# KiCad board Z3660_v021b.kicad_pcb (continued)
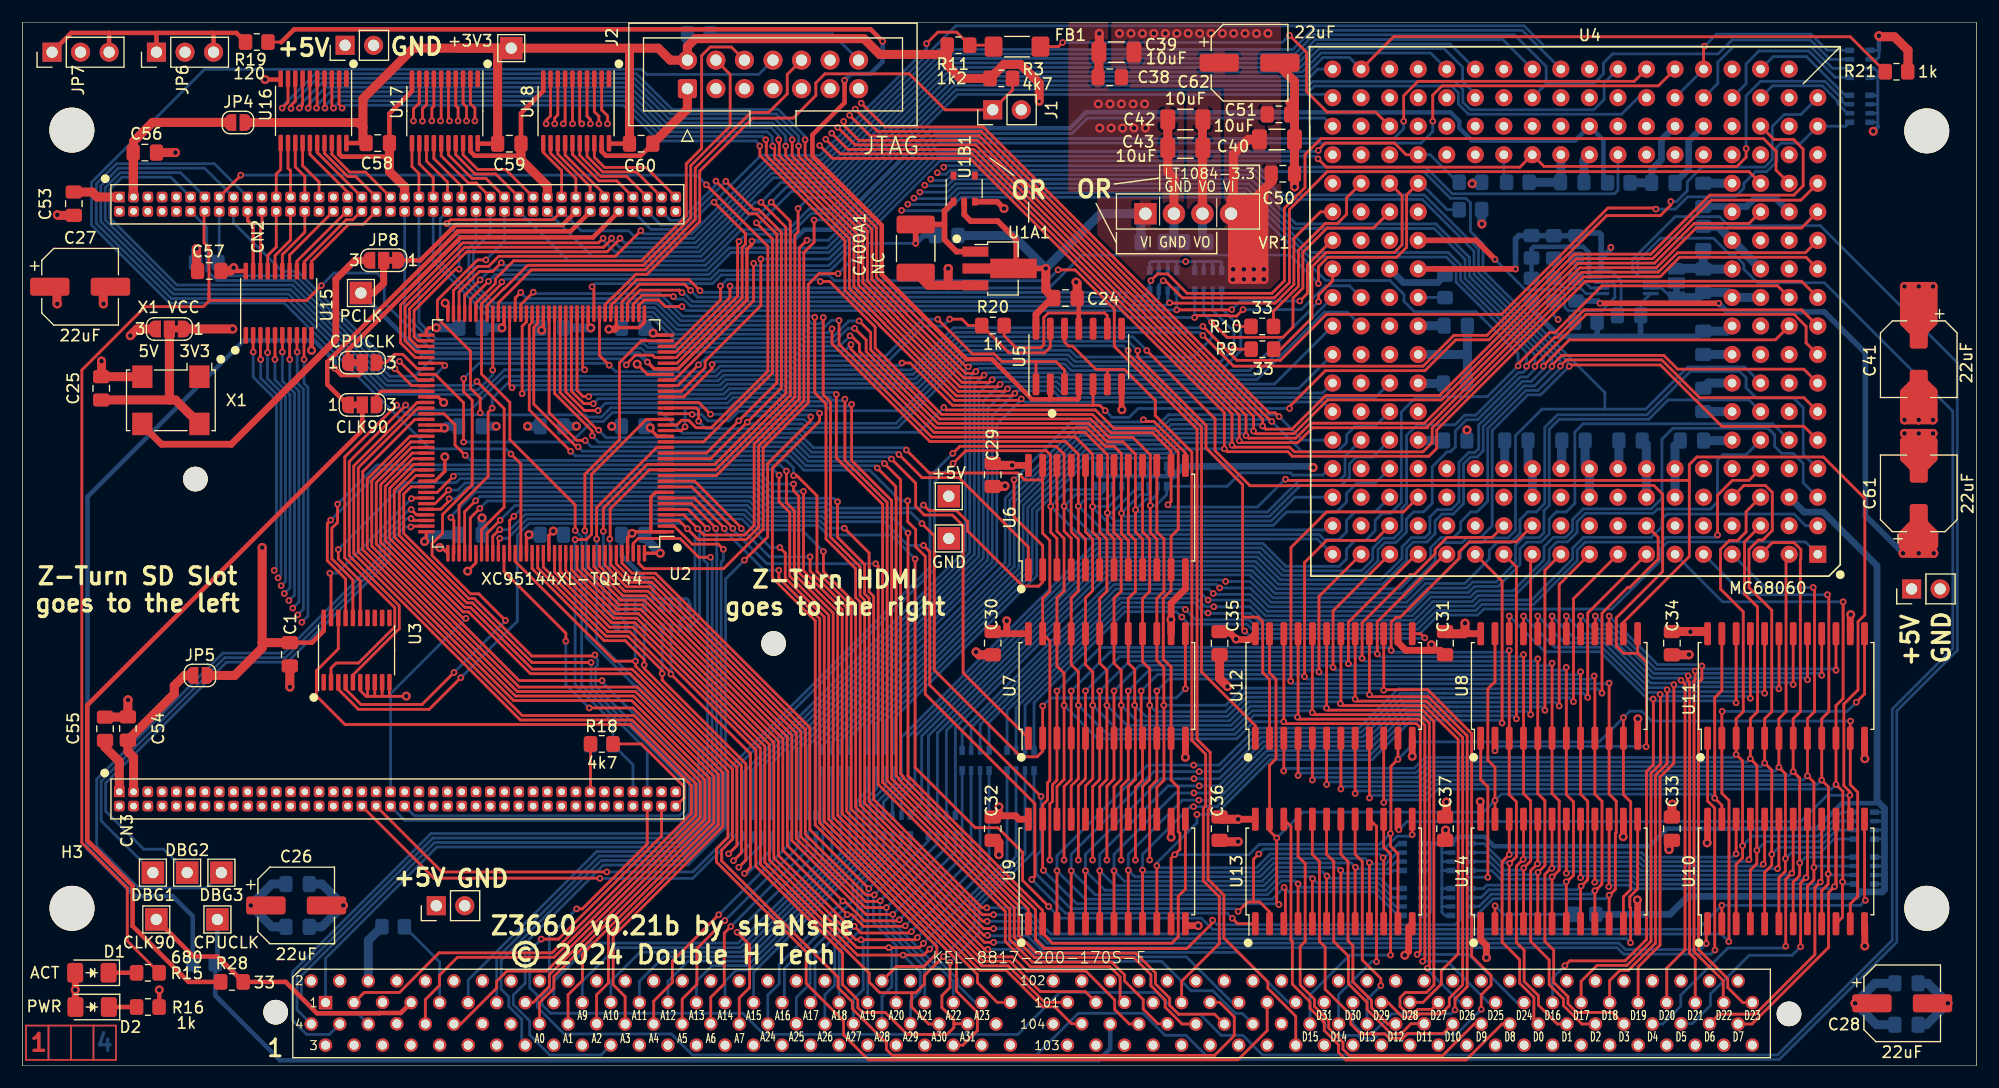
[diagram p0: board, top side]
## Routing (per net, layer and track width the routed paths; a pad name or vN(x,y) marks a point on that pad's centre or on a via; arc(x,y) is an arc through that point) (continued)
Net-(JP12-C): length 2.3
  Bottom w0.25: JP12.2 147.16,69.71 U1.8
Net-(R19-Pad1): length 107.3
  Top w0.25: 23.02,91.06 22.99,91.09 R19.1
  Top w0.4: 91.48,59.29 89.86,59.29 86.29,62.86 84.02,62.86 76.48,70.41 76.48,74.79 70.31,80.96 70.31,82.83 73.17,85.7 v2(73.17,87.69) ; 91.48,59.29 93.91,59.29 94.02,59.4 U5.4 ; 91.48,59.29 U5.2 ; 23.02,91.06 24.18,92.23 75.49,92.23 v2(76.56,91.16)
  Bottom w0.4: v2(76.56,91.16) 76.56,89.34 75.48,88.27 73.75,88.27 v2(73.17,87.69)
Net-(RN1-R3.2): length 16.8
  Bottom w0.25: U4.149 150.9,87.41 150.9,89.3 152.32,90.72 159.14,90.72 161.1,88.76 RN1.6
Net-(RN1-R4.2): length 14.2
  Bottom w0.25: U4.148 153.42,87.39 153.42,89.15 154.56,90.3 159,90.3 161.34,87.96 RN1.5
Net-(RN2-R1.2): length 9.8
  Bottom w0.25: U4.164 155.82,89.8 158.79,89.8 162.24,86.36 RN2.8
Net-(RN2-R3.2): length 9.5
  Bottom w0.25: U4.147 155.77,87.2 160.2,87.2 161.56,85.84 161.56,85.63 162.44,84.76 RN2.6
Net-(U1-V1): length 6.6
  Bottom w0.25: R23.2 R27.1 136.4,70.06 137.31,69.16 138.71,69.16 139.16,68.71 U1.1
Net-(U1-V2): length 4.4
  Bottom w0.25: R25.2 R26.1 138.74,70.05 139.58,69.21 U1.2
Net-(U1-V4): length 11.3
  Bottom w0.4: U1.4 139.43,70.21 139.43,72.35 138.91,72.87 134.52,72.87 134.32,72.67 R24.2 R22.1
Net-(U2-P105): length 59.6
  Top w0.25: U2.105 35.07,49.01 v2(34.59,49.49)
  Bottom w0.25: DBG3.1 16.33,15.8 10.34,15.8 6.6,19.53 6.6,25.48 17.83,36.7 23.25,36.7 31.85,45.3 31.85,46.91 34.43,49.49 v2(34.59,49.49)
Net-(U2-P106): length 49.7
  Top w0.25: U2.106 34.76,48.51 v2(34.59,48.68)
  Bottom w0.25: v2(34.59,48.68) 34.19,48.68 32.25,46.75 32.25,45.14 23.42,36.3 18,36.3 7,25.31 7,21.77 DBG1.1
Net-(U2-P107): length 51
  Top w0.25: v2(34.56,47.93) 34.64,48.01 U2.107
  Bottom w0.25: DBG2.1 12.57,19.25 10.8,19.25 7.4,22.64 7.4,25.14 18.16,35.9 23.58,35.9 32.66,44.98 32.66,46.6 34,47.93 v2(34.56,47.93)
Net-(U4-~{TS}): length 36.9
  Top w0.25: v2(112.78,91.69) 114.3,90.17 114.3,86.69 116.13,84.86 120.43,84.86 U4.142 ; FB1.2 92.21,90.69 v2(92.58,91.06)
  Bottom w0.25: v2(92.58,91.06) 112.14,91.06 v2(112.78,91.69)

## Copper pours and planes (outline as drawn; the poured copper is in the pictures)
+3V3 on Top: 103.63,86.74 106.68,86.74 106.68,75.82 103.63,75.82
+3V3 on In2.Cu: 173.86,50.8 162.43,50.8 162.43,43.56 114.43,43.59 114.43,71.76 106.81,71.76 106.81,64.39 60.45,64.39 60.45,45.59 18.29,45.59 18.29,72.14 90.07,72.14 90.07,86.36 105.92,86.36 105.92,76.07 114.43,76.07 114.47,92.84 173.86,92.84
+5V on Top: 96.9,92.84 112.01,92.84 112.02,69.09 95.63,69.09 95.66,77.29 101.11,77.3 101.11,74.55 106.95,74.55 106.93,87 96.9,87
+5V on In2.Cu: 162.69,50.55 162.69,43.31 114.12,43.29 113.92,71.38 107.32,71.38 107.32,63.88 60.83,63.88 60.83,45.34 17.91,45.34 17.91,72.52 89.81,72.52 89.81,86.74 106.31,86.74 106.3,76.58 114.17,76.58 114.17,92.84 0,92.84 0,0 173.93,0 173.93,50.55
Earth on Top: 93.09,92.84 96.65,92.84 96.65,86.74 103.38,86.74 103.38,75.06 101.47,75.06 101.47,77.72 93.09,77.72
Earth on In1.Cu: 0,92.84 173.86,92.84 173.93,0 0,0

## Text on the board
Bottom: 4
B.Silkscreen: 1
Top: 1
F.Silkscreen: A0 | A1 | A9 | A2 | A10 | A3 | A11 | A4 | A12 | A5 | A13 | A6 | A14 | A7 | A15 | A24 | A16 | A25 | A17 | A26 | A18 | A27 | A19 | A28 | A20 | A29 | A21 | A30 | A22 | A31 | A23 | D15 | D31 | D14 | D30 | D13 | D29 | D12 | D28 | D11 | D27 | D10 | D26 | D9 | D25 | D8 | D24 | D0 | D16 | D1 | D17 | D2 | D18 | D3 | D19 | D4 | D20 | D5 | D21 | D6 | D22 | D7 | D23 | 2 | 4 | 1 | 3 | 102 | 104 | 101 | 103 | VI GND VO | GND VO VI | LT1084-3.3 | PWR | ACT | 5V | X1 VCC | 3V3 | CLK90 | CPUCLK | JTAG | +5V | GND | OR | Z-Turn SD Slot / goes to the left | Z-Turn HDMI / goes to the right | Z3660 v0.21b by sHaNsHe / © 2024 Double H Tech
In1.Cu: 2
In2.Cu: 3
